# Altium PCB 2012_FDP_PCB.PcbDoc (part 2 of 3) (continued)
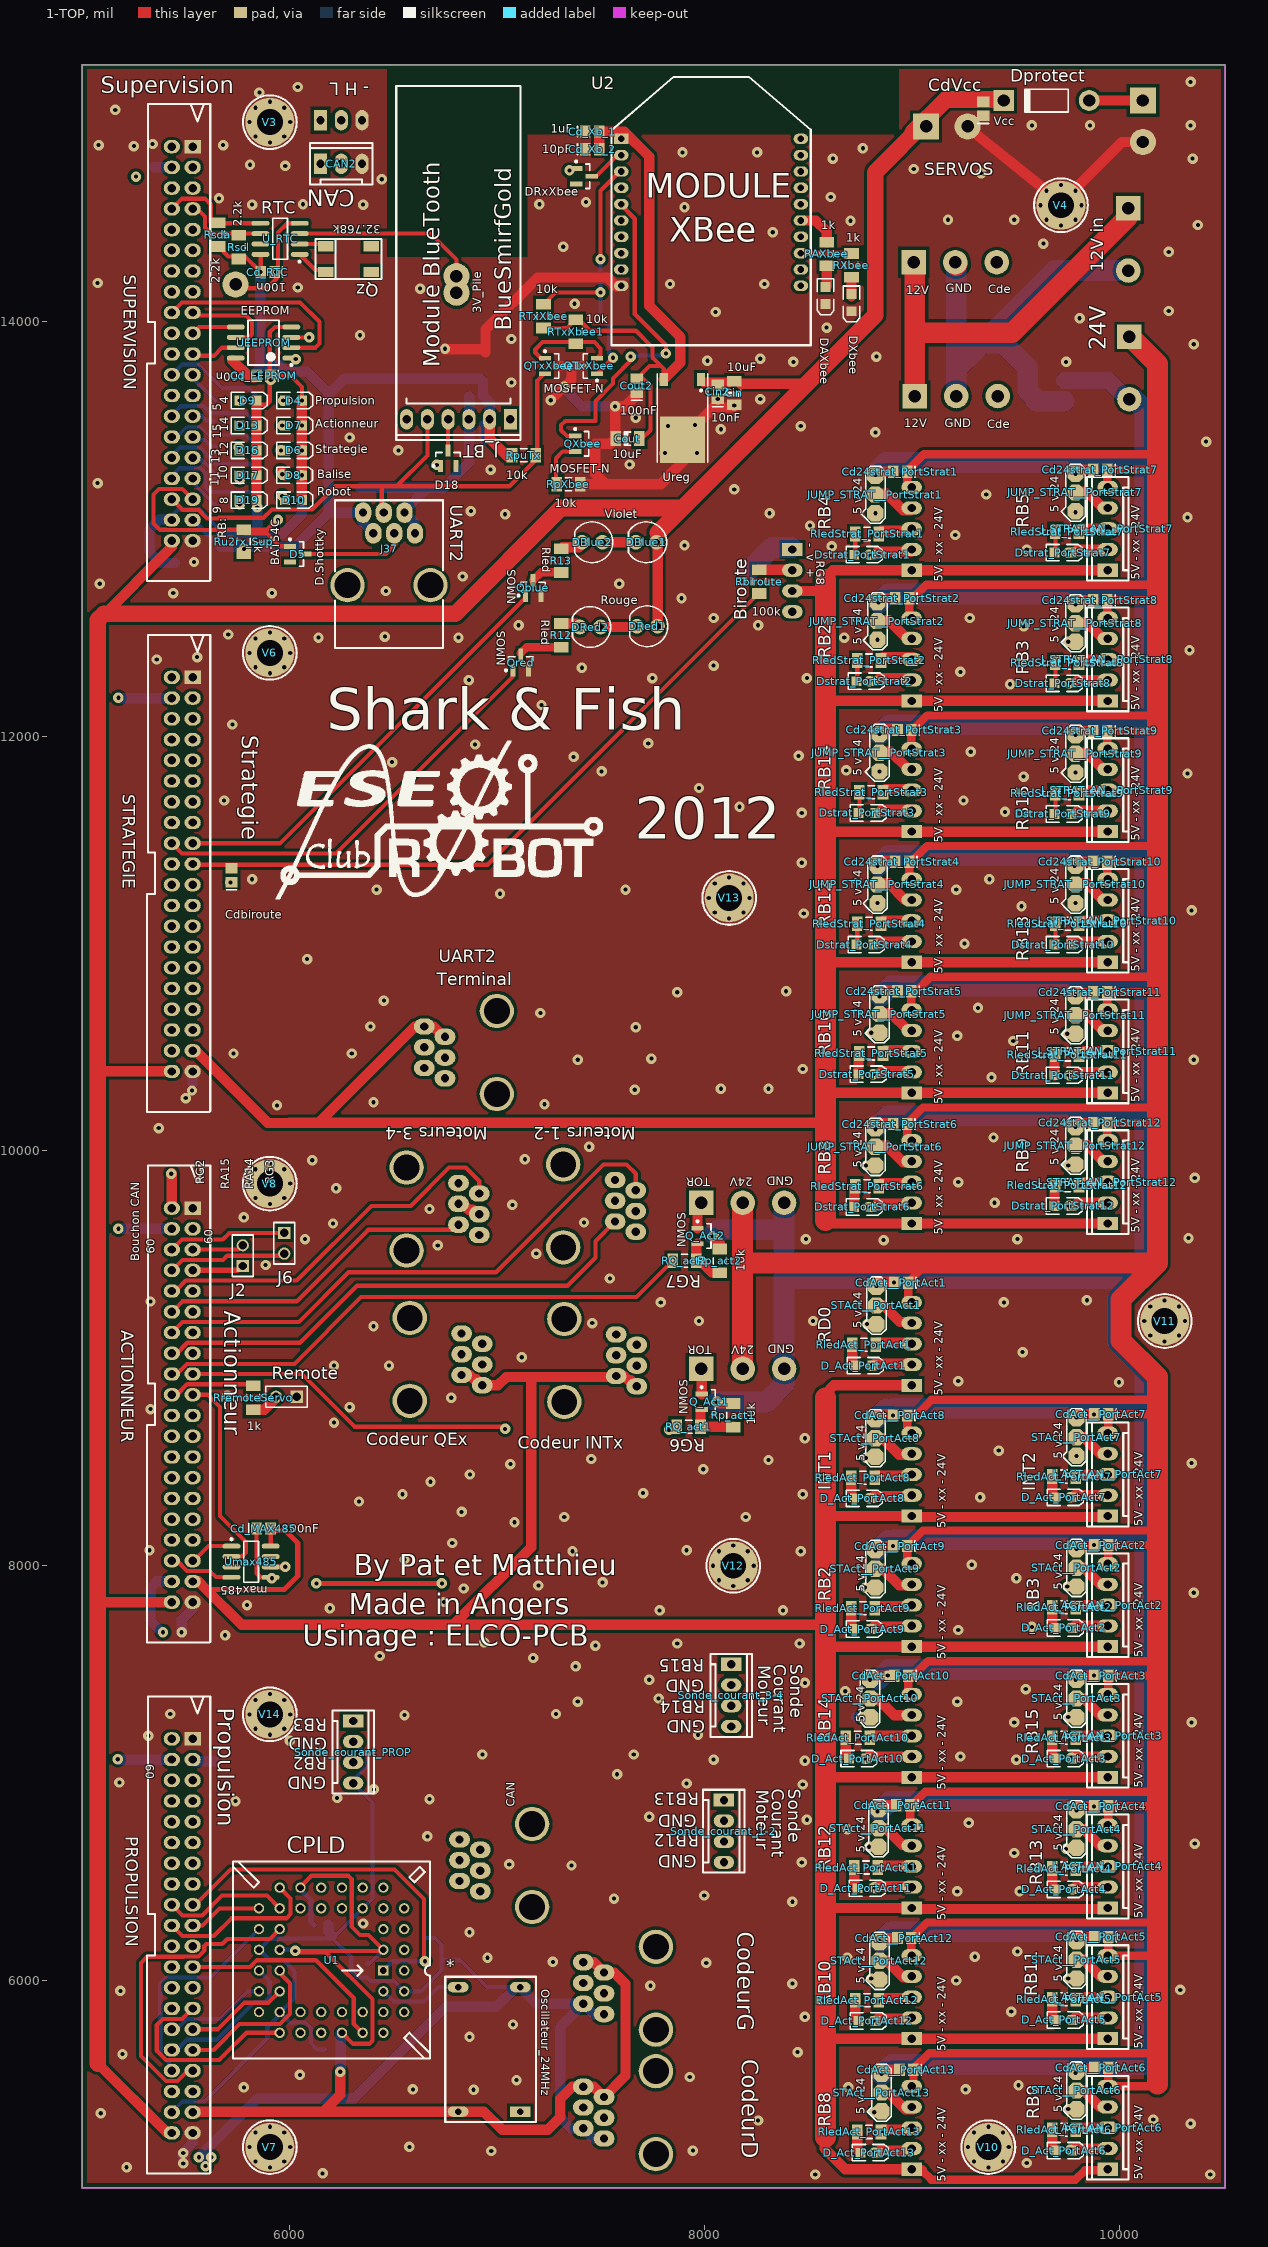
[diagram p0: 1-TOP view]
## Nets (pads, with @x,y where several pads share a name; then routed paths per layer and width w, separated by ;. In a path a pad name is that pad's centre, name@x,y a point inside that pad or via, vN(x,y) a via of type N, cw(c..) or ccw(c..) an arc to the next point about the centre after c; other vN are vias at no path point) (continued)
CPLD_OUT_6: PROPULSION.28 U1.28 | length 453.5
  3-SIGNAL w20: PROPULSION.28@5433.07,5865.35 5482.16,5816.27 5761.27,5816.27 5793.15,5848.15 U1.28@5853.07,5848.15
CPLD_OUT_7: PROPULSION.27 U1.29 | length 1010.9
  1-TOP w20: PROPULSION.27@5533.07,5865.35 5482.16,5814.44 5389.44,5814.44 5360,5785 5360,5661.72 5405.46,5616.27 5661.27,5616.27 5687.5,5642.5 ; 5680.61,5635.61 5687.5,5642.5 ; U1.29@5958.07,5748.15 U1.29@5953.07,5748.15 5793.15,5748.15 5687.5,5642.5
CPLD_RESET: PROPULSION.17 RrstCpld.2 U1.1 | length 1764.1
  1-TOP w20: PROPULSION.17@5539.21,6359.21 5715,6535 6506.22,6535 6648.07,6393.15 v1@6648.07,6093.15
  4-BOT w20: U1.1@6453.07,6048.15 6498.07,6093.15 RrstCpld.2@6658.07,6093.15
  other v1: 6653.07,6093.15
GND: ACTIONNEUR.1 ACTIONNEUR.39 CAN2.3 CAN.3 Cd_Xb_1.1 Cd_Xb_2.1 CdVcc.1 Cin2.1 Cin.1 Cout2.1 Cout.1 DAXbee.2 DXbee.2 J_8V_in.2 JalimBal.2 PROPULSION.1 PROPULSION.39 Qblue.2 Qred.2 QTxXbee1.3 QTxXbee.3 QXbee.3 RcanB1.1 RcanB2.1 RcanB3.2 RcanB4.2 Remote.1 RpXbee.2 St_GND.1 STAct.2 STProp.2 STRATEGIE.1 STRATEGIE.39 STStrat.2 STSup.2 SUPERVISION.1 SUPERVISION.39 U2.10 Ureg.4 V3.1 V4.1 V6.1 V7.1 V8.1 V10.1 V11.1 V12.1 V13.1 V14.1 | length 4597
  1-TOP w50: v1@6750,13865 6930,13865 ; 6945,13850 6945,13960 7196.54,14211.54 7533.46,14211.54 7575,14170 U2.10@7595,14170 ; 7285,13645 v1@7320,13680 ; QTxXbee1.3@7307.4,13785 7360,13785 ; v1@7325,13680 7327.48,13682.83 7360,13720 7360,13785 ; RpXbee.2@7402.09,13215 7575,13215 7790,13215 7835,13260 ; QTxXbee.3@7405,13785 7360,13785 ; 7520,13220 7475,13265 7475,13410 7547.91,13410 Cout.1@7572.91,13435 ; Cout.1@7570,13435 v1(7570,13590) 7620,13590 Cout2.1@7680,13650 ; 7834.59,13260.41 7900,13325.83 Ureg.4@7900,13420 ; Ureg.4@7885,13420 7898.46,13433.46 7898.46,13438.46 8045,13585 8140,13585 Cin.1@8145,13590 ; JalimBal.2@9270,14935 V4.1@9650.4,14629.6 9715,14565 V4.1@9710,14560 ; V4.1@9784.6,14634.6 10015,14865 J_8V_in.2@10115,14865
  4-BOT w50: STAct.2@5480,7675 v1(5480,7679.41) ; STAct.2@5480,7680 5480,7740 5533.07,7793.07 ACTIONNEUR.39@5533.07,7824.41 ; STProp.2@5485,5150 5485,5170 5533.07,5218.07 PROPULSION.39@5533.07,5265.35 ; STStrat.2@5533.07,10323.07 STRATEGIE.39@5533.07,10383.46 ; v1@7330,13675 7330,13670 7410,13590 v1(7570,13590) ; V4.1@9715,14560 V4.1@9735,14540 ; V4.1@9745,14545 V4.1@9750,14550
  other v1: 8535,5065 10440,5065 6160,5070 5215,5100 5488.07,5118.15 9555,5120 5488.07,5168.15 6973.07,5178.15 7945,5180 6578.07,5198.15 10345,5310 8260,5325 10165,5330 5090,5360 6888.07,5473.15 6595,5475 9260,5475 5780,5485 8695,5485 9515,5495 7095,5520 7930,5535 6050,5545 5195,5645 8450,5655 6868.07,5728.15 7078.07,5788.15 8485,5825 9480,5850 5185,5950 10295,5955 7740,5975 8425,5985 9215,6000 8010,6085 7270,6090 6955,6110 8690,6110 9305,6115 9510,6140 6868.07,6233.15 6355,6275 8425,6380 7565,6395 8000,6410 9220,6430 9520,6430 7360,6555 7060,6560 8470,6570 9495,6615 10365,6660 6665,6695 8690,6730 9275,6760 8495,6775 7735,6790 5740,6865 6675,6875 6230,6880 6406.93,6921.85 8475,6945 7915,6950 5180,6955 7580,6995 8485,7060 8045,7065 9505,7065 9235,7080 6930,7090 7660,7090 6001.93,7156.85 5320,7180 7970,7185 9495,7245 10350,7245 6555,7280 5425,7285 7285,7285 7390,7345 9220,7345 7780,7360 8680,7395 9550,7405 8485,7435 7735,7450 7380,7515 7175,7555 6435,7565 7475,7615 7870,7625 8460,7625 6940,7630 5690,7665 9225,7690 9580,7705 7785,7785 8380,7785 6195,7795 5795,7810 6745,7825 10360,7870 6840,7890 7200,7905 7510,7920 9505,7940 9290,8005 6555,8030 7365,8070 8465,8070 5325,8074.41 7915,8075 6785,8110 7085,8210 7325,8235 8200,8235 6830,8260 6335,8310 9330,8330 6545,8345 8475,8345 7705,8350 6680,8405 6870,8440 7995,8465 7065,8490 10350,8495 8310,8510 7455,8515 9420,8555 8485,8615 6215,8690 5330,8755 6290,8765 6780,8810 5700,8820 10000,8885 9225,8890 6215,8965 6480,8965 7120,9005 9535,9030 6405,9155 7460,9170 7975,9180 8525,9180 7790,9270 9445,9270 5330,9274.41 9845,9280 7545,9385 5885,9450 7190,9505 6715,9545 8865,9570 6075,9575 8490,9575 9510,9575 10335,9580 6210,9650 7420,9655 5780,9680 6675,9720 7075,9740 9400,9750 6225,9820 9225,9850 10365,9870 6110,9955 7135,9960 7445,10020 9395,10065 5370,10110 5940,10220 7230,10225 6405,10235 5500,10255 5530,10291.3 7665,10295 8080,10300 8310,10300 9385,10355 8475,10395 7390,10440 10360,10440 7745,10445 5730,10470 6300,10470 9490,10530 9220,10555 7670,10596.3 6390,10600 7210,10665 9320,10690 6455,10725 7870,10765 8395,10770 6085,10925 9255,11000 8480,11145 10350,11160 9530,11180 7015,11240 6420,11260 7620,11260 9215,11260 5820,11310 9375,11310 8470,11390 8470,11630 9450,11635 8170,11660 5685,11690 9250,11690 7975,11750 9540,11805 10330,11820 7505,11830 8685,11835 6495,11875 7370,11900 8455,11905 9285,11925 6895,11960 7730,11965 5725,12056.3 7215,12150 9475,12250 6865,12270 7750,12280 8495,12280 9235,12310 7410,12330 8045,12340 5360,12370 5555,12381.3 10340,12415 6140,12475 6815,12475 8675,12475 6460,12480 5705,12490 9540,12530 7105,12535 8260,12535 8045,12570 9280,12570 7890,12665 5440,12690 5915,12690 6465,12700 5085,12735 7590,12735 6835,12770 5540,12840 9555,12900 8615,12915 7905,12920 9210,12970 8510,13015 10330,13055 7040,13070 8315,13075 6875,13085 9360,13165 8145,13190 5075,13220 6970,13285 7640,13310 7810,13365 7965,13365 6525,13378.07 10420,13420 6290,13440 8825,13465 8080,13480 7825,13495 8465,13495 7955,13500 7670,13535 8145,13595 7260,13620 8065,13625 8270,13625 7325,13685 7070,13705 8430,13805 9745,13805 8015,13810 8270,13820 8830,13830 6750,13868.07 10360,13890 7070,13915 6340,13933.07 8590,13970 9810,14015 8055,14045 10240,14050 7375,14085 6630,14158.07 6040,14163.07 7835,14180 8290,14180 5075,14185 10240,14335 7320,14360 9635,14375 8330,14430 10380,14465 8705,14485 9175,14490 9495,14490 7905,14550 5820,14563.07 6355,14563.07 6065,14565 7205,14565 7430,14575 5660,14593.07 8610,14600 6445,14685 9335,14715 9010,14735 5980,14750 5810,14755 8620,14785 10355,14785 7895,14815 8255,14815 8765,14835 5250,14845 5080,14850 5680,14850 5340,14855 9580,14945 9860,14945 10345,14945 5160,15020 5855,15103.07 6040,15130 10345,15155
GND_12: J_12V_in.2 SR1.2 SR2.2 St_GND.3 | length 2507.3
  1-TOP w100: SR1.2@9215,14270 SR1.2@9220,14275
  4-BOT w100: SR2.2@9215,13640 9215,13770 9310,13865 ; 9215,13785 9215,14135 ; SR1.2@9215,14270 9215,13920 9365,13920 9690,14245 J_12V_in.2@10045,14245 ; 9340,13895 9440,13895 9560,13775 9560,13665 9600,13625 ; 9600,13615 St_GND.3@9735,13615
GND_24: Cd24strat_PortStrat1.2 Cd24strat_PortStrat2.2 Cd24strat_PortStrat3.2 Cd24strat_PortStrat4.2 Cd24strat_PortStrat5.2 Cd24strat_PortStrat6.2 Cd24strat_PortStrat7.2 Cd24strat_PortStrat8.2 Cd24strat_PortStrat9.2 Cd24strat_PortStrat10.2 Cd24strat_PortStrat11.2 Cd24strat_PortStrat12.2 CdAct__PortAct1.2 CdAct__PortAct2.2 CdAct__PortAct3.2 CdAct__PortAct4.2 CdAct__PortAct5.2 CdAct__PortAct6.2 CdAct__PortAct7.2 CdAct__PortAct8.2 CdAct__PortAct9.2 CdAct__PortAct10.2 CdAct__PortAct11.2 CdAct__PortAct12.2 CdAct__PortAct13.2 JalimeBlal24V.2 JUMP_STRAT__PortStrat1.3 JUMP_STRAT__PortStrat2.3 JUMP_STRAT__PortStrat3.3 JUMP_STRAT__PortStrat4.3 JUMP_STRAT__PortStrat5.3 JUMP_STRAT__PortStrat6.3 JUMP_STRAT__PortStrat7.3 JUMP_STRAT__PortStrat8.3 JUMP_STRAT__PortStrat9.3 JUMP_STRAT__PortStrat10.3 JUMP_STRAT__PortStrat11.3 JUMP_STRAT__PortStrat12.3 Q_Act1.3 Q_Act2.3 Rp_act1.2 Rp_act2.2 S1.3 S2.3 St_GND.2 STAct__PortAct1.3 STAct__PortAct2.3 STAct__PortAct3.3 STAct__PortAct4.3 STAct__PortAct5.3 STAct__PortAct6.3 STAct__PortAct7.3 STAct__PortAct8.3 STAct__PortAct9.3 STAct__PortAct10.3 STAct__PortAct11.3 STAct__PortAct12.3 STAct__PortAct13.3 | length 29614.2
  1-TOP w50: Q_Act2.3@8050,9580 8075,9555 Rp_act2.2@8075,9527.09 ; Q_Act1.3@8065,8790 8072.91,8782.09 Rp_act1.2@8135,8782.09 ; v1(8800,7450) 8820,7470 v1@8886.54,7470 ; STAct__PortAct9.3@8815,8080 8830,8095 CdAct__PortAct9.2@8906.54,8095 ; STAct__PortAct8.3@8815,8715 8830,8730 CdAct__PortAct8.2@8906.54,8730 ; STAct__PortAct10.3@8820,7455 8835,7470 CdAct__PortAct10.2@8911.54,7470 ; STAct__PortAct1.3@8820,9355 8835,9370 8875,9370 CdAct__PortAct1.2@8911.54,9370 ; v1(8825,8075) STAct__PortAct9.3@8845,8095 ; STAct__PortAct8.3@8825,8705 STAct__PortAct8.3@8845,8725 ; JUMP_STRAT__PortStrat6.3@8825,10110 8850,10135 Cd24strat_PortStrat6.2@8906.54,10135 ; JUMP_STRAT__PortStrat1.3@8825,13255 v1(8825,13260) 8840,13275 Cd24strat_PortStrat1.2@8911.54,13275 ; STAct__PortAct12.3@8830,6190 8845,6205 CdAct__PortAct12.2@8921.54,6205 ; STAct__PortAct1.3@8830,9345 STAct__PortAct1.3@8850,9365 ; STAct__PortAct11.3@8835,6830 8850,6845 CdAct__PortAct11.2@8926.54,6845 ; v1(8835,11375) 8860,11400 Cd24strat_PortStrat4.2@8916.54,11400 ; JUMP_STRAT__PortStrat2.3@8835,12645 8855,12665 Cd24strat_PortStrat2.2@8921.54,12665 ; STAct__PortAct11.3@8840,6825 STAct__PortAct11.3@8860,6845 ; JUMP_STRAT__PortStrat5.3@8845,10750 8870,10775 Cd24strat_PortStrat5.2@8926.54,10775 ; v1(8845,12010) 8870,12035 Cd24strat_PortStrat3.2@8926.54,12035 ; STAct__PortAct13.3@8850,5555 8865,5570 CdAct__PortAct13.2@8941.54,5570 ; STAct__PortAct3.3@9780,7455 9795,7470 CdAct__PortAct3.2@9871.54,7470 ; STAct__PortAct2.3@9780,8080 9795,8095 CdAct__PortAct2.2@9871.54,8095 ; STAct__PortAct7.3@9780,8715 9795,8730 CdAct__PortAct7.2@9871.54,8730 ; STAct__PortAct5.3@9785,6195 9800,6210 CdAct__PortAct5.2@9876.54,6210 ; STAct__PortAct6.3@9790,5560 9805,5575 CdAct__PortAct6.2@9881.54,5575 ; STAct__PortAct4.3@9790,6825 9805,6840 CdAct__PortAct4.2@9881.54,6840 ; v1(9790,10115) 9810,10135 Cd24strat_PortStrat12.2@9876.54,10135 ; JUMP_STRAT__PortStrat11.3@9790,10745 9805,10760 Cd24strat_PortStrat11.2@9871.54,10760 ; JUMP_STRAT__PortStrat10.3@9790,11375 9810,11395 Cd24strat_PortStrat10.2@9876.54,11395 ; v1(9790,12005) 9810,12025 Cd24strat_PortStrat9.2@9876.54,12025 ; v1(9790,12635) 9810,12655 Cd24strat_PortStrat8.2@9876.54,12655 ; v1(9790,13265) 9810,13285 Cd24strat_PortStrat7.2@9876.54,13285
  4-BOT w80: St_GND.2@9735,13715 9950,13715 JalimeBlal24V.2@10050,13615
  4-BOT w100: v1@8045,9600 8065,9620 8385,9620 ; v1(8060,8790) 8300,8790 8385,8875 S1.3@8385,8950 8385,9385 ; S2.3@8385,9750 8385,9620 ; v1@8825,13270 8875,13320 9790,13320 ; v1@8830,8710 8877.5,8757.5 ; 8830,9385 8385,9385 ; v1@8835,8075 8882.5,8122.5 ; v1@8835,10120 8885,10170 9790,10170 ; 8840,7450 v1@8872.5,7482.5 ; v1@8840,11375 8890,11425 9785,11425 ; v1@8842.5,12642.5 8885,12685 9790,12685 ; v1@8845,6815 8895,6865 9795,6865 ; v1(8845,12010) 8890,12055 9790,12055 ; v1@8850,6185 8900,6235 9795,6235 ; v1@8850,10745 8900,10795 9790,10795 ; v1@8857.5,5547.5 8905,5595 10125,5595 10125,6865 ; 8875,9385 10080,9385 ; 8890,7500 9790,7500 ; 8910,8125 9795,8125 ; 8910,8760 9795,8760 ; v1@9785,13280 9825,13320 10110,13320 ; v1@9790,10130 9830,10170 10115,10170 ; 9820,12055 10105,12055 ; 9820,12685 10105,12685 ; 9830,10795 10115,10795 ; 9830,11425 10115,11425 ; 9835,6235 10120,6235 ; 9835,8125 10120,8125 ; 9835,8760 10120,8760 ; 9840,6865 9845,6865 ; 9840,7500 10125,7500 ; 9880,6865 10125,6865 ; JalimeBlal24V.2@10050,13625 10075,13625 10125,13575 10125,9420 9995,9290 9995,9075 10125,8945 10125,7500 ; 8385,9385 8385,9620 ; 10125,6865 10125,7500
  other v1: 8855,5550 9790,5555 8845,6190 9795,6195 8835,6815 9795,6820 9880,6840 9790,7450 8885,7470 9880,7470 9795,8080 8910,8095 9880,8100 8825,8710 9795,8715 8910,8725 9880,8730 8830,9350 8915,9365 8040,9590 8825,10105 8845,10745 9790,10750 9785,11375 8840,12645
GND_ACT: ACTIONNEUR.38 Cd_MAX485.1 D_Act_PortAct1.2 D_Act_PortAct2.2 D_Act_PortAct3.2 D_Act_PortAct4.2 D_Act_PortAct5.2 D_Act_PortAct6.2 D_Act_PortAct7.2 D_Act_PortAct8.2 D_Act_PortAct9.2 D_Act_PortAct10.2 D_Act_PortAct11.2 D_Act_PortAct12.2 D_Act_PortAct13.2 J_ACT_AN__PortAct1.2 J_ACT_AN__PortAct2.2 J_ACT_AN__PortAct3.2 J_ACT_AN__PortAct4.2 J_ACT_AN__PortAct5.2 J_ACT_AN__PortAct6.2 J_ACT_AN__PortAct7.2 J_ACT_AN__PortAct8.2 J_ACT_AN__PortAct9.2 J_ACT_AN__PortAct10.2 J_ACT_AN__PortAct11.2 J_ACT_AN__PortAct12.2 J_ACT_AN__PortAct13.2 J_ACT_COD_INT.5 J_ACT_COD_INT.6 J_ACT_COD_QEx.5 J_ACT_COD_QEx.6 J_ACT_MOT12.3 J_ACT_MOT12.4 J_ACT_MOT_34.3 J_ACT_MOT_34.4 Sonde_courant_1-2.2 Sonde_courant_1-2.4 Sonde_courant_3-4.2 Sonde_courant_3-4.4 STAct.1 STAct__PortAct1.1 STAct__PortAct2.1 STAct__PortAct3.1 STAct__PortAct4.1 STAct__PortAct5.1 STAct__PortAct6.1 STAct__PortAct7.1 STAct__PortAct8.1 STAct__PortAct9.1 STAct__PortAct10.1 STAct__PortAct11.1 STAct__PortAct12.1 STAct__PortAct13.1 Umax485.5 | length 2935.7
  1-TOP w20: Cd_MAX485.1@5841.54,8179.41 5841.54,7962.87 5860,7944.41 Umax485.5@5909.49,7944.41 Umax485.5@5910,7944.41
  1-TOP w50: J_ACT_MOT12.4@6815,9745 6835,9745 6864.02,9715.98 6884.02,9715.98 6905,9695 J_ACT_MOT12.3@6915,9695 ; D_Act_PortAct10.2@8781.34,7070 8791.34,7080 8950,7080 ; D_Act_PortAct1.2@8811.34,8965 8821.34,8975 J_ACT_AN__PortAct1.2@8980,8975 ; D_Act_PortAct9.2@8816.34,7705 J_ACT_AN__PortAct9.2@8975,7705 ; D_Act_PortAct8.2@8816.34,8335 J_ACT_AN__PortAct8.2@8975,8335 ; D_Act_PortAct11.2@8821.34,6445 8831.34,6455 J_ACT_AN__PortAct11.2@8990,6455 ; D_Act_PortAct12.2@8836.34,5815 J_ACT_AN__PortAct12.2@8995,5815 ; D_Act_PortAct13.2@8846.34,5180 J_ACT_AN__PortAct13.2@9005,5180 ; D_Act_PortAct4.2@9776.34,6440 9786.34,6450 J_ACT_AN__PortAct4.2@9945,6450 ; D_Act_PortAct3.2@9776.34,7070 9786.34,7080 J_ACT_AN__PortAct3.2@9945,7080 ; D_Act_PortAct2.2@9776.34,7700 9786.34,7710 J_ACT_AN__PortAct2.2@9945,7710 ; D_Act_PortAct7.2@9776.34,8330 9786.34,8340 J_ACT_AN__PortAct7.2@9945,8340 ; D_Act_PortAct6.2@9786.34,5190 J_ACT_AN__PortAct6.2@9945,5190 ; D_Act_PortAct5.2@9786.34,5820 J_ACT_AN__PortAct5.2@9945,5820
  4-BOT w20: v1@5910,7944.41 v1(5915,7939.41)
  4-BOT w50: STAct.1@5385,7680 5330,7735 5330,7895 5360,7925 5375,7925 5375.59,7924.41 ACTIONNEUR.38@5433.07,7924.41 ; 8730,7269.88 8730,7270
  other v1: 8820,5170 9765,5185 8820,5365 9755,5380 8815,5805 9765,5810 8805,6010 9755,6010 9775,6440 8820,6450 9745,6635 8795,6645 8775,7070 9770,7075 8760,7270 9755,7270 5390,7679.41 8800,7695 9765,7700 8775,7895 9750,7900 8795,8325 9765,8330 8780,8520 9795,8530 8805,8965 8785,9165
GND_PROP: *.7 Cd1_CPLD.1 Cd2_CPLD.1 Cd3_CPLD.1 Cd4_CPLD.1 JcodDroite.5 JcodDroite.6 JcodGauche.5 JcodGauche.6 JMotProp.3 JMotProp.4 PROPULSION.38 RrstCpld.1 Sonde_courant_PROP.2 Sonde_courant_PROP.4 STProp.1 U1.10 U1.22 U1.30 U1.42 | length 7617.3
  4-BOT w20: PROPULSION.38@5433.07,5365.35 5483.98,5416.27 5589.44,5416.27 5893.07,5719.9 5893.07,5774.15 5953.07,5834.15 U1.30@5953.07,5848.15 ; U1.30@5943.07,5848.15 U1.30@5953.07,5848.15 ; Cd2_CPLD.1@6033.07,6201.61 5906.53,6201.61 U1.22@5853.07,6148.15 5856.85,6148.15 5905,6100 5970,6100 6025,6045 6025,5915 5958.15,5848.15 U1.30@5953.07,5848.15 ; Cd2_CPLD.1@6034.61,6203.15 6208.07,6203.15 ; Cd3_CPLD.1@6173.07,5668.15 6133.07,5668.15 6103.07,5698.15 6103.07,5771.93 6076.85,5798.15 6003.07,5798.15 U1.30@5953.07,5848.15 ; Sonde_courant_PROP.2@6306.93,7151.85 6373.14,7085.64 6373.14,7031.76 6306.93,6965.55 Sonde_courant_PROP.4@6306.93,6951.85 6400,6858.78 6400,6395.08 U1.10@6353.07,6348.15 6208.07,6203.15 ; RrstCpld.1@6653.07,6205.24 6700.98,6205.24 6733.07,6173.15 6733.07,6098.15 ; *.7@7093.07,5968.15 6953.07,5968.15 6823.07,6098.15 6733.07,6098.15 ; 6208.07,6203.15 6298.07,6113.15 6298.07,6048.15 6331.53,6014.69 Cd1_CPLD.1@6373.07,6014.69 6389.61,5998.15 6503.07,5998.15 U1.42@6553.07,5948.15 6633.07,5948.15 6733.07,6048.15 6733.07,6098.15
  4-BOT w50: STProp.1@5575,5150 5575,5160 5845,5430 6310,5430 6753.15,5873.15 6998.07,5873.15 *.7@7093.07,5968.15 ; Cd4_CPLD.1@6186.53,6268.15 6186.53,6234.69 6203.07,6218.15 ; *.7@7113.07,5968.15 7193.15,5888.07 JcodGauche.5@7416.85,5888.07 ; JcodDroite.6@7516.85,5238.07 7466.85,5238.07 JcodDroite.5@7416.85,5288.07 7356.93,5288.07 7305,5340 7305,5776.22 JcodGauche.5@7416.85,5888.07 ; JcodGauche.6@7516.85,5838.07 7466.85,5838.07 JcodGauche.5@7416.85,5888.07
  other v1: 5595,5105 5563.07,5148.15 5623.07,5148.15
GND_STRAT: Cdbiroute.1 Dstrat_PortStrat1.2 Dstrat_PortStrat2.2 Dstrat_PortStrat3.2 Dstrat_PortStrat4.2 Dstrat_PortStrat5.2 Dstrat_PortStrat6.2 Dstrat_PortStrat7.2 Dstrat_PortStrat8.2 Dstrat_PortStrat9.2 Dstrat_PortStrat10.2 Dstrat_PortStrat11.2 Dstrat_PortStrat12.2 J_BIROUTE.1 J_STRAT_AN__PortStrat1.2 J_STRAT_AN__PortStrat2.2 J_STRAT_AN__PortStrat3.2 J_STRAT_AN__PortStrat4.2 J_STRAT_AN__PortStrat5.2 J_STRAT_AN__PortStrat6.2 J_STRAT_AN__PortStrat7.2 J_STRAT_AN__PortStrat8.2 J_STRAT_AN__PortStrat9.2 J_STRAT_AN__PortStrat10.2 J_STRAT_AN__PortStrat11.2 J_STRAT_AN__PortStrat12.2 J_U2ST.5 J_U2ST.6 JUMP_STRAT__PortStrat1.1 JUMP_STRAT__PortStrat2.1 JUMP_STRAT__PortStrat3.1 JUMP_STRAT__PortStrat4.1 JUMP_STRAT__PortStrat5.1 JUMP_STRAT__PortStrat6.1 JUMP_STRAT__PortStrat7.1 JUMP_STRAT__PortStrat8.1 JUMP_STRAT__PortStrat9.1 JUMP_STRAT__PortStrat10.1 JUMP_STRAT__PortStrat11.1 JUMP_STRAT__PortStrat12.1 STRATEGIE.38 STStrat.1 | length 2237.4
  1-TOP w20: STRATEGIE.38@5433.07,10483.46 STRATEGIE.38@5456.37,10483.46
  1-TOP w50: 8836.34,9745 J_STRAT_AN__PortStrat6.2@8995,9745 ; 8836.34,12890 J_STRAT_AN__PortStrat1.2@8995,12890 ; 8846.34,11010 J_STRAT_AN__PortStrat4.2@9000,11010 J_STRAT_AN__PortStrat4.2@9005,11010 ; 8846.34,12280 J_STRAT_AN__PortStrat2.2@9005,12280 ; 8856.34,10385 J_STRAT_AN__PortStrat5.2@9015,10385 ; 8856.34,11645 J_STRAT_AN__PortStrat3.2@9015,11645 ; Dstrat_PortStrat10.2@9770,11010 J_STRAT_AN__PortStrat10.2@9945,11010 J_STRAT_AN__PortStrat10.2@9960,11010 ; 9801.34,9750 J_STRAT_AN__PortStrat12.2@9945,9750 J_STRAT_AN__PortStrat12.2@9960,9750 ; 9801.34,10380 J_STRAT_AN__PortStrat11.2@9945,10380 J_STRAT_AN__PortStrat11.2@9960,10380 ; 9801.34,11640 J_STRAT_AN__PortStrat9.2@9945,11640 J_STRAT_AN__PortStrat9.2@9960,11640 ; 9801.34,12270 J_STRAT_AN__PortStrat8.2@9945,12270 J_STRAT_AN__PortStrat8.2@9960,12270 ; 9801.34,12900 J_STRAT_AN__PortStrat7.2@9945,12900 J_STRAT_AN__PortStrat7.2@9960,12900
  4-BOT w20: 8326.3,12910 8341.3,12895
  4-BOT w100: 8211.3,12795 8326.3,12910 J_BIROUTE.1@8421.3,12910
  other v1: 8790,9730 9760,9735 8780,9930 9755,9930 9760,10365 8815,10370 9750,10565 8805,10570 8835,11195 9790,11195 5715,11295 9790,11825 8845,11830 9760,12255 8795,12265 9755,12455 8835,12465 8795,12875 9755,12885 8825,13075 9790,13080
GND_SUP: Cd_BT_1.1 Cd_BT_2.1 Cd_EEPROM.1 Cd_RTC.1 CR2032.2 D4.2 D6.2 D7.2 D8.2 D9.2 D10.2 D13.2 D16.2 D17.2 D19.2 J37.5 J37.6 J_BT.3 STSup.1 SUPERVISION.38 U_RTC.4 UEEPROM.4 | length 4745.3
  1-TOP w20: CR2032.2@5740,14178.07 5758.46,14159.61 5891.54,14159.61 5940,14208.07 5940,14249.61 Cd_RTC.1@5943.46,14253.07 ; D9.2@5841.34,13598.07 5890,13598.07 5905,13613.07 Cd_EEPROM.1@5905,13738.07 ; Cd_RTC.1@5930,14253.07 Cd_RTC.1@5943.46,14253.07 ; UEEPROM.4@6008.86,13973.07 5930,13973.07 5905,13948.07 Cd_EEPROM.1@5905,13738.07 ; U_RTC.4@6040,14473.07 5990,14473.07 5945,14428.07 5945,14254.61 Cd_RTC.1@5943.46,14253.07 ; D4.2@6060,13623.07 6060,13683.07 6005,13738.07 Cd_EEPROM.1@5908.46,13738.07 Cd_EEPROM.1@5905,13738.07
  1-TOP w50: D19.2@5841.34,13158.07 D17.2@5841.34,13258.07 D16.2@5841.34,13378.07 D13.2@5841.34,13498.07 D9.2@5841.34,13598.07 ; D10.2@6060,13158.07 v1(6060,13258.07) v1(6060,13378.07) v1(6060,13498.07) v1(6060,13618.07)
  4-BOT w20: SUPERVISION.38@5425,13055 5463.43,13093.43 5560.69,13093.43 ; 5565,13095 5670,12990 5670,12978.07
  4-BOT w50: SUPERVISION.38@5435,13045 5375,13045 5325,12995 5325,12890 5380,12835 STSup.1@5450,12835 ; 5670,12978.07 5835,12978.07 ; v1(5845,13103.07) 5845,12988.07 5835,12978.07 ; v1@6060,13143.07 v1(6060,13138.07) 6060,13068.07 5970,12978.07 5835,12978.07 ; 6340,13198.07 6665,13198.07 ; J37.6@6605,12978.07 6605,13028.07 J37.5@6555,13078.07 6550,13083.07 6665,13198.07 ; Cd_BT_1.1@6866.54,13638.07 6866.54,13321.54 6743.07,13198.07 6665,13198.07
  other v1: 5910,13718.07 5935,14238.07
NetCR2032_1: CR2032.1 U_RTC.3 | length 887.3
  1-TOP w20: U_RTC.3@6049.49,14423.07 6680,14423.07 6805,14298.07 CR2032.1@6805,14218.07
NetD4_1: D4.1 R4.2
  other v1: 5970,13618.07
NetD5_3: D5.3 J37.4 | length 511.2
  1-TOP w20: D5.3@6077.4,12878.07 6465,12878.07 6510,12923.07 J37.4@6510,12983.07
NetD6_1: D6.1 R6.2 | length 2.3
  1-TOP w50: v1@5955,13378.07 D6.1@5957.32,13378.07
  other v1: 5960,13378.07
NetD7_1: D7.1 R7.2
  other v1: 5965,13498.07
NetD8_1: D8.1 R8.2 | length 28.3
  1-TOP w50: D8.1@5957.32,13278.07 D8.1@5977.32,13258.07
  other v1: 5965,13263.07
NetD9_1: D9.1 R9.2
  other v1: 5760,13618.07
NetD10_1: D10.1 R10.2
  other v1: 5965,13158.07
NetD13_1: D13.1 R11.2
  other v1: 5760,13500
NetD16_1: D16.1 R14.2
  other v1: 5755,13393.07
NetD17_1: D17.1 R15.2
  other v1: 5760,13238.07
NetD18_3: D18.3 J_BT.4 | length 130
  1-TOP w20: D18.3@6765,13398.07 J_BT.4@6765,13528.07
NetD19_1: D19.1 R16.2
  other v1: 5760,13118.07
NetD_Act_PortAct1_1: D_Act_PortAct1.1 RledAct_PortAct1.2 | length 106.5
  1-TOP w50: RledAct_PortAct1.2@8712.91,9065 8712.91,8980.75 D_Act_PortAct1.1@8728.66,8965
NetD_Act_PortAct2_1: D_Act_PortAct2.1 RledAct_PortAct2.2 | length 106.5
  1-TOP w50: RledAct_PortAct2.2@9677.91,7800 9677.91,7715.75 D_Act_PortAct2.1@9693.66,7700
NetD_Act_PortAct3_1: D_Act_PortAct3.1 RledAct_PortAct3.2 | length 106.5
  1-TOP w50: RledAct_PortAct3.2@9677.91,7170 9677.91,7085.75 D_Act_PortAct3.1@9693.66,7070
NetD_Act_PortAct4_1: D_Act_PortAct4.1 RledAct_PortAct4.2 | length 106.5
  1-TOP w50: RledAct_PortAct4.2@9677.91,6540 9677.91,6455.75 D_Act_PortAct4.1@9693.66,6440
NetD_Act_PortAct5_1: D_Act_PortAct5.1 RledAct_PortAct5.2 | length 106.5
  1-TOP w50: RledAct_PortAct5.2@9677.91,5910 9677.91,5825.75 D_Act_PortAct5.1@9693.66,5810
NetD_Act_PortAct6_1: D_Act_PortAct6.1 RledAct_PortAct6.2 | length 106.5
  1-TOP w50: RledAct_PortAct6.2@9677.91,5280 9677.91,5195.75 D_Act_PortAct6.1@9693.66,5180
NetD_Act_PortAct7_1: D_Act_PortAct7.1 RledAct_PortAct7.2 | length 106.5
  1-TOP w50: RledAct_PortAct7.2@9677.91,8430 9677.91,8345.75 D_Act_PortAct7.1@9693.66,8330
NetD_Act_PortAct8_1: D_Act_PortAct8.1 RledAct_PortAct8.2 | length 106.5
  1-TOP w50: RledAct_PortAct8.2@8707.91,8425 8707.91,8340.75 D_Act_PortAct8.1@8723.66,8325
NetD_Act_PortAct9_1: D_Act_PortAct9.1 RledAct_PortAct9.2 | length 106.5
  1-TOP w50: RledAct_PortAct9.2@8707.91,7795 8707.91,7710.75 D_Act_PortAct9.1@8723.66,7695
NetD_Act_PortAct10_1: D_Act_PortAct10.1 RledAct_PortAct10.2 | length 106.5
  1-TOP w50: RledAct_PortAct10.2@8682.91,7170 8682.91,7085.75 D_Act_PortAct10.1@8698.66,7070
NetD_Act_PortAct11_1: D_Act_PortAct11.1 RledAct_PortAct11.2 | length 106.5
  1-TOP w50: RledAct_PortAct11.2@8722.91,6545 8722.91,6460.75 D_Act_PortAct11.1@8738.66,6445
NetD_Act_PortAct12_1: D_Act_PortAct12.1 RledAct_PortAct12.2 | length 106.5
  1-TOP w50: RledAct_PortAct12.2@8727.91,5905 8727.91,5820.75 D_Act_PortAct12.1@8743.66,5805
NetD_Act_PortAct13_1: D_Act_PortAct13.1 RledAct_PortAct13.2 | length 106.5
  1-TOP w50: RledAct_PortAct13.2@8737.91,5270 8737.91,5185.75 D_Act_PortAct13.1@8753.66,5170
NetDAssociateXbee_1: DAXbee.1 RAXbee.2 | length 96.6
  1-TOP w50: DAXbee.1@8590,14171.34 RAXbee.2@8590,14267.91
NetDBlue1_2: DBlue1.2 DBlue2.1 | length 165
  1-TOP w50: DBlue2.1@7510,12935 DBlue1.2@7670,12935 DBlue1.2@7670,12930
NetDBlue2_2: DBlue2.2 R13.2 | length 109.5
  1-TOP w20: DBlue2.2@7395,12911.3 DBlue2.2@7410,12926.3
  1-TOP w50: R13.2@7310,12903.39 7317.91,12911.3 DBlue2.2@7395,12911.3
NetDprotect_1: Dprotect.1 J_8V_in.1 | length 269.1
  1-TOP w50: Dprotect.1@9855.91,15065 J_8V_in.1@10115,15065 J_8V_in.1@10125,15065
NetDRed1_2: DRed1.2 DRed2.1 | length 166.3
  1-TOP w50: DRed2.1@7500,12526.3 DRed1.2@7666.3,12526.3
NetDRed2_2: DRed2.2 R12.2 | length 97.1
  1-TOP w20: DRed2.2@7382.91,12543.39 DRed2.2@7400,12526.3
  1-TOP w50: R12.2@7310,12543.39 DRed2.2@7382.91,12543.39
NetDRxXbee_3: DRxXbee.3 U2.2 | length 186.9
  1-TOP w20: DRxXbee.3@7455,14700 7480,14700 7581.26,14801.26 U2.2@7600,14801.26
NetDstrat_PortStrat1_1: Dstrat_PortStrat1.1 RledStrat_PortStrat1.2 | length 101.8
  1-TOP w20: Dstrat_PortStrat1.1@8723.66,12875 8727.91,12879.25 RledStrat_PortStrat1.2@8727.91,12975
NetDstrat_PortStrat2_1: Dstrat_PortStrat2.1 RledStrat_PortStrat2.2 | length 101.8
  1-TOP w20: Dstrat_PortStrat2.1@8733.66,12265 8737.91,12269.25 RledStrat_PortStrat2.2@8737.91,12365
NetDstrat_PortStrat3_1: Dstrat_PortStrat3.1 RledStrat_PortStrat3.2 | length 101.8
  1-TOP w20: Dstrat_PortStrat3.1@8743.66,11630 8747.91,11634.25 RledStrat_PortStrat3.2@8747.91,11730
NetDstrat_PortStrat4_1: Dstrat_PortStrat4.1 RledStrat_PortStrat4.2 | length 101.8
  1-TOP w20: Dstrat_PortStrat4.1@8733.66,10995 8737.91,10999.25 RledStrat_PortStrat4.2@8737.91,11095